# Altium PCB Archimajor.PcbDoc (part 12 of 13) (continued)
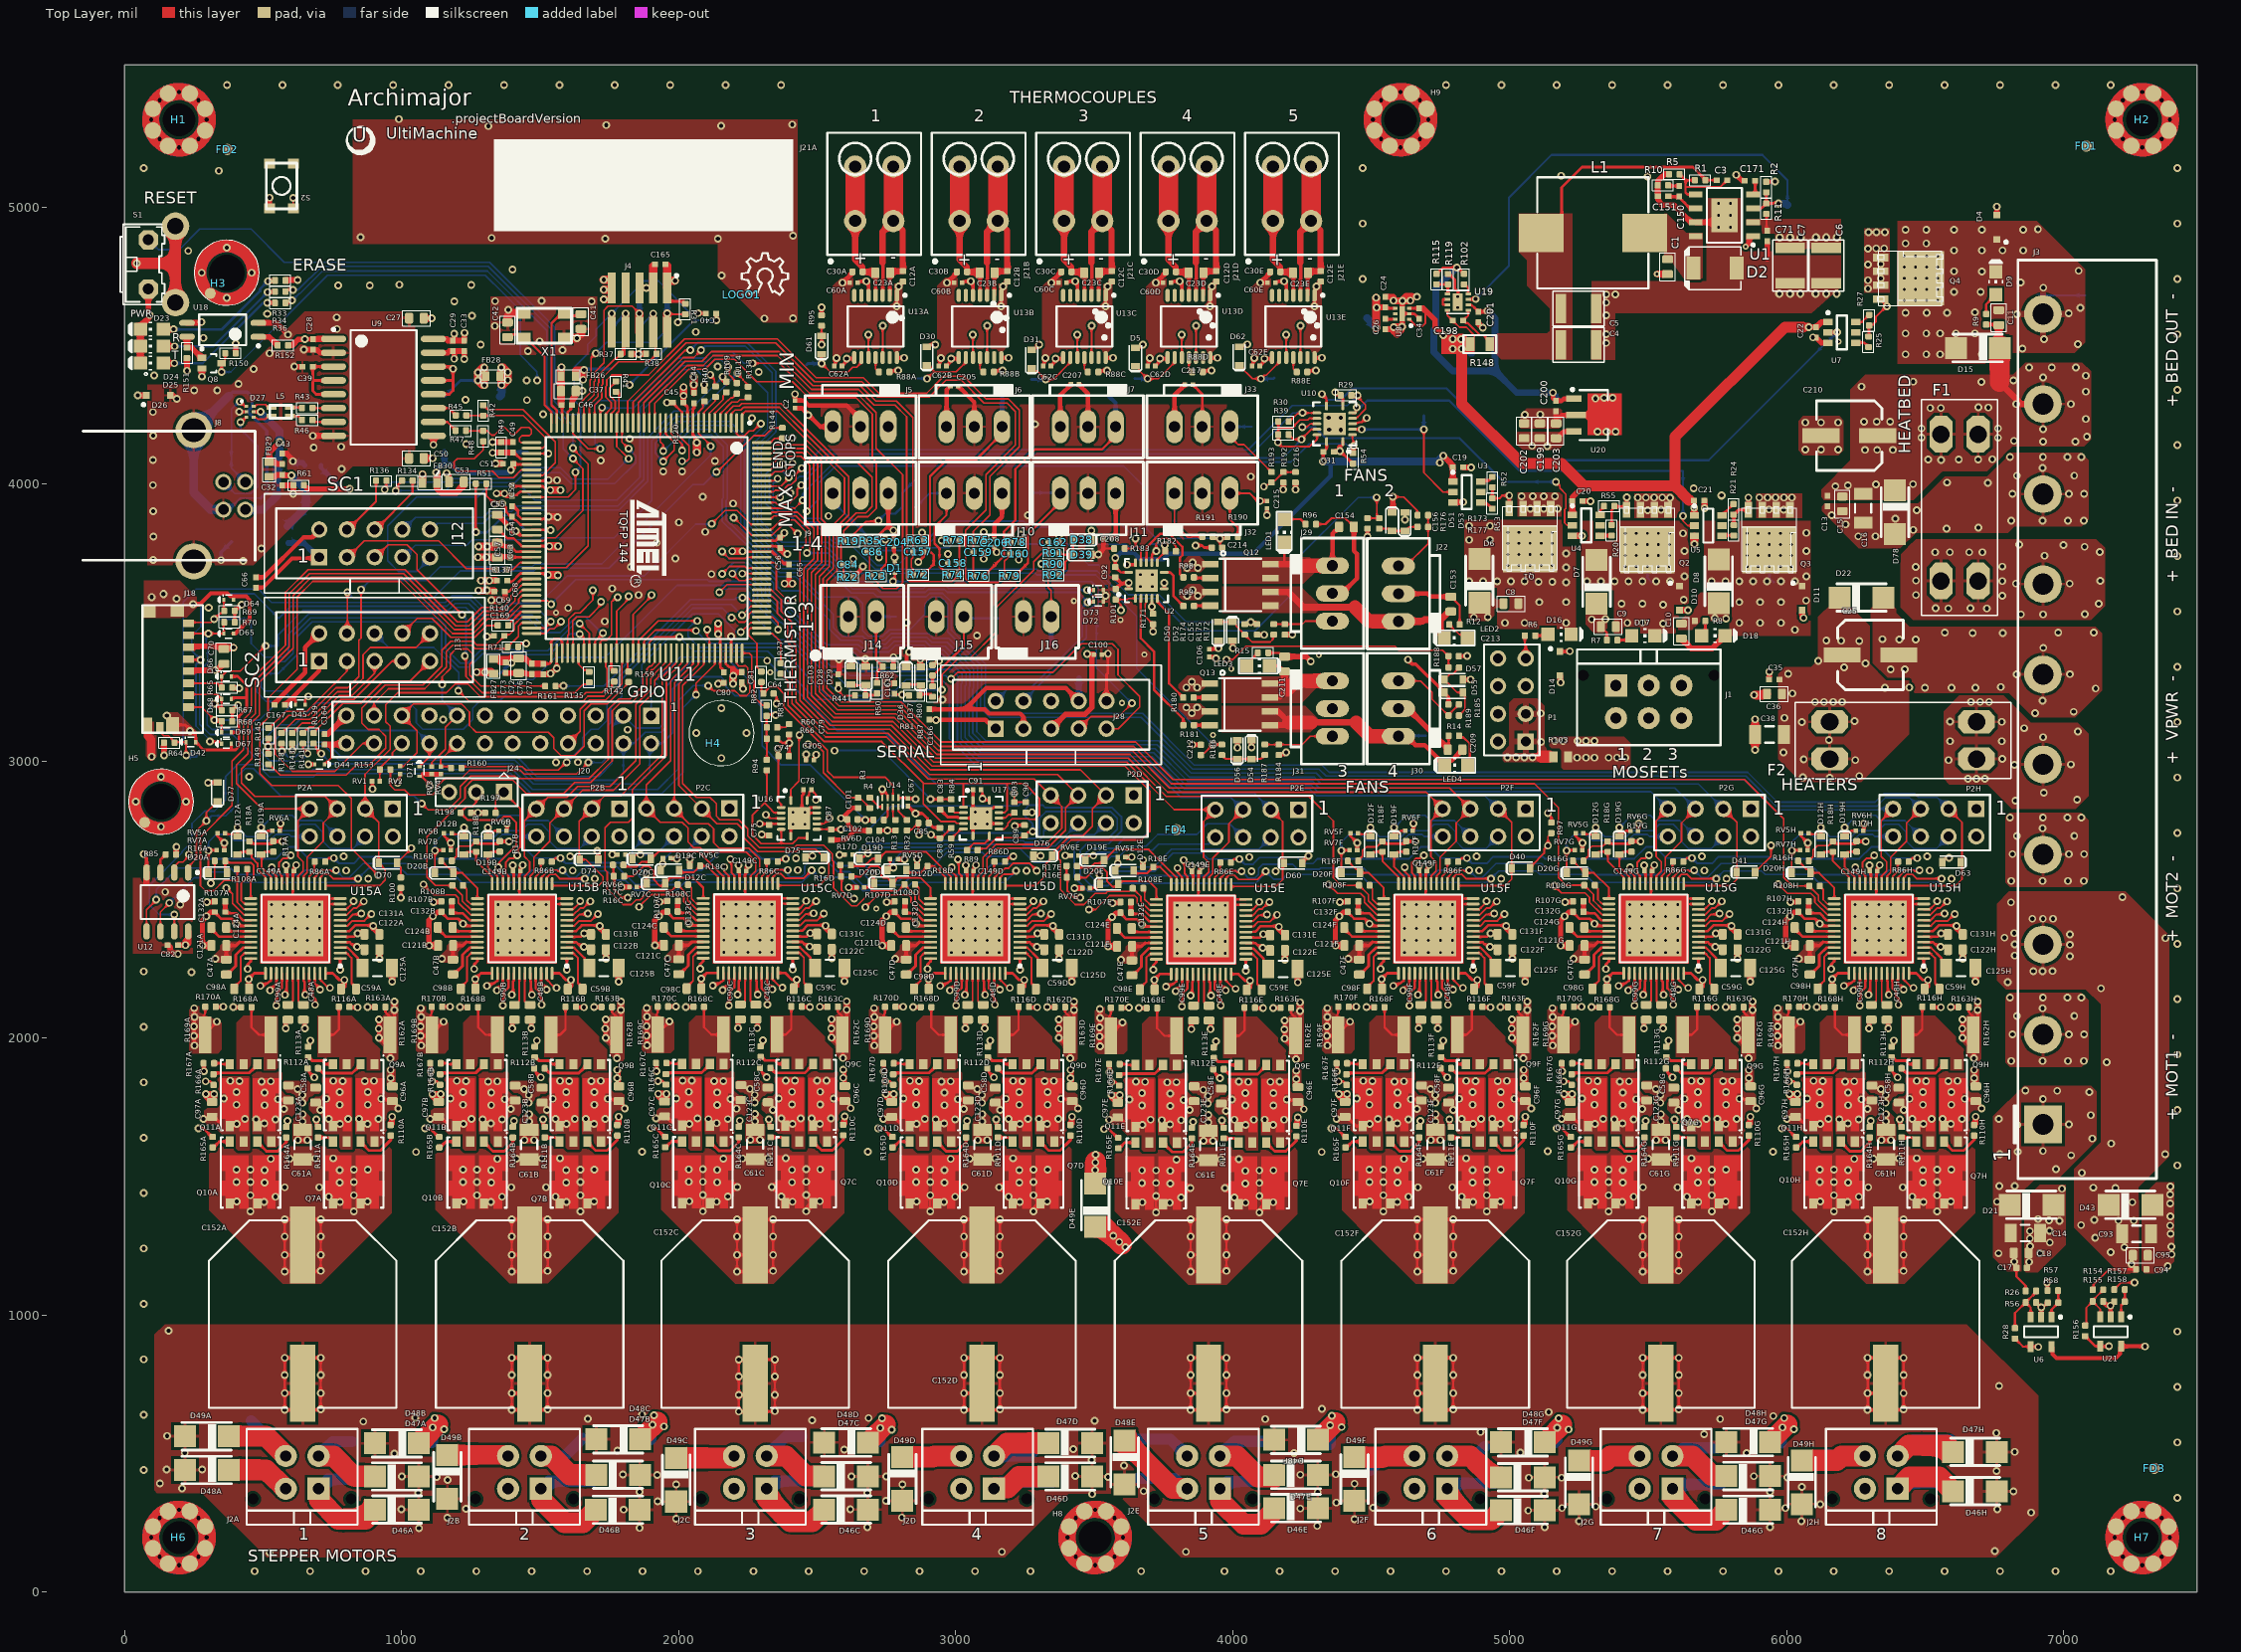
[diagram p0: Top Layer view]
## Polygon pours and split planes (outlines as drawn) (continued)
OABD on Mid1 "Direct Connect" (solid, remove dead copper, pour order 2499): 2081.02,1841.41 2067.24,1855.19 1995.39,1855.19 1981.61,1841.41 1981.61,1687.87 1992.44,1677.04 2075.11,1677.04 2081.02,1682.95
OBAD on Mid1 "Direct Connect" (solid, remove dead copper, pour order 2491): 2565.27,1841.9 2551.49,1855.68 2479.64,1855.68 2465.86,1841.9 2465.86,1688.36 2476.69,1677.53 2559.37,1677.53 2565.27,1683.44
OBAD on Mid1 "Direct Connect" (solid, remove dead copper, pour order 2490): 4201.1,1837.97 4187.32,1851.75 4115.47,1851.75 4101.69,1837.97 4101.69,1684.42 4112.51,1673.6 4195.19,1673.6 4201.1,1679.5
OABD on Mid1 "Direct Connect" (solid, remove dead copper, pour order 2498): 3716.85,1837.48 3703.07,1851.26 3631.22,1851.26 3617.44,1837.48 3617.44,1683.93 3628.26,1673.11 3710.94,1673.11 3716.85,1679.01
OABA on Mid1 "Direct Connect" (solid, remove dead copper, pour order 2503): 447.83,1840.45 434.05,1854.23 362.2,1854.23 348.42,1840.45 348.42,1686.91 359.25,1676.08 441.93,1676.08 447.83,1681.99
OBAA on Mid1 "Direct Connect" (solid, remove dead copper, pour order 2495): 932.09,1840.94 918.31,1854.72 846.46,1854.72 832.68,1840.94 832.68,1687.4 843.5,1676.57 926.18,1676.57 932.09,1682.48
OBAH on Mid1 "Direct Connect" (solid, remove dead copper, pour order 2494): 6647.65,1840.94 6633.87,1854.72 6562.02,1854.72 6548.24,1840.94 6548.24,1687.4 6559.07,1676.57 6641.75,1676.57 6647.65,1682.48
OABH on Mid1 "Direct Connect" (solid, remove dead copper, pour order 2502): 6163.4,1840.45 6149.62,1854.23 6077.77,1854.23 6063.99,1840.45 6063.99,1686.91 6074.82,1676.08 6157.5,1676.08 6163.4,1681.99
OBAG on Mid1 "Direct Connect" (solid, remove dead copper, pour order 2493): 5834.65,1840.94 5820.87,1854.72 5749.02,1854.72 5735.24,1840.94 5735.24,1687.4 5746.07,1676.57 5828.75,1676.57 5834.65,1682.48
OABG on Mid1 "Direct Connect" (solid, remove dead copper, pour order 2501): 5350.4,1840.45 5336.62,1854.23 5264.77,1854.23 5250.99,1840.45 5250.99,1686.91 5261.82,1676.08 5344.5,1676.08 5350.4,1681.99
OBAF on Mid1 "Direct Connect" (solid, remove dead copper, pour order 2492): 5021.65,1840.94 5007.87,1854.72 4936.02,1854.72 4922.24,1840.94 4922.24,1687.4 4933.07,1676.57 5015.75,1676.57 5021.65,1682.48
OABF on Mid1 "Direct Connect" (solid, remove dead copper, pour order 2500): 4537.4,1840.45 4523.62,1854.23 4451.77,1854.23 4437.99,1840.45 4437.99,1686.91 4448.82,1676.08 4531.5,1676.08 4537.4,1681.99
OABD on Mid1 "Direct Connect" (solid, remove dead copper, pour order 2497): 2901.57,1840.45 2887.79,1854.23 2815.94,1854.23 2802.16,1840.45 2802.16,1686.91 2812.99,1676.08 2895.67,1676.08 2901.57,1681.99
OBAD on Mid1 "Direct Connect" (solid, remove dead copper, pour order 2489): 3385.83,1840.94 3372.05,1854.72 3300.2,1854.72 3286.42,1840.94 3286.42,1687.4 3297.24,1676.57 3379.92,1676.57 3385.83,1682.48
OBAB on Mid1 "Direct Connect" (solid, remove dead copper, pour order 2488): 1750,1840.94 1736.22,1854.72 1664.37,1854.72 1650.59,1840.94 1650.59,1687.4 1661.42,1676.57 1744.09,1676.57 1750,1682.48
OABB on Mid1 "Direct Connect" (solid, remove dead copper, pour order 2496): 1265.75,1840.45 1251.97,1854.23 1180.12,1854.23 1166.34,1840.45 1166.34,1686.91 1177.16,1676.08 1259.84,1676.08 1265.75,1681.99
HTR3 on Mid1 "DirectConnect" (solid, pour order 2352): 6086.11,3866.5 5827.11,3866.5 5827.11,3925.5 5701.11,3925.5 5701.11,3623.5 5810.74,3623.5 5810.74,3467.89 6086.11,3467.89
HTR2 on Mid1 "DirectConnect" (solid, pour order 2351): 5647.12,3866.5 5259.12,3866.5 5259.12,3617.5 5376.69,3617.5 5376.69,3461 5647.12,3461 5647.12,3867.5
HTR1 on Mid1 "DirectConnect" (solid, pour order 2350): 5191.12,3870.5 4836.12,3870.5 4836.12,3625.5 4955.43,3625.5 4955.43,3461.98 5239.12,3461.98 5239.12,3773.5 5191.12,3773.5
no net on Top Overlay "Logo" (solid): 17 vertices, not listed, extent 802.12,5188.24 903.25,5289.62
GND on Top GND (split plane): 151 vertices, not listed, extent 10.09,10.09 7470.23,5501.72
USB_GND on Top GND (split plane): 856.89,4581.49 856.89,4101.68 804.87,4049.66 533.87,3778.66 462.82,3707.61 88.37,3707.61 88.37,4352.44 376.84,4352.44 379.45,4352.78 381.89,4353.79 383.97,4355.4 492.97,4464.4 648.02,4619.44 818.93,4619.44
HTR2 on Top GND (split plane): 5597.12,3682.15 5394.82,3682.15 5394.82,3865.9 5597.12,3865.9
HTR1 on Top GND (split plane): 5173.62,3686.15 4971.32,3686.15 4971.32,3869.9 5173.62,3869.9
HTR3 on Top GND (split plane): 6037.11,3682.15 5834.81,3682.15 5834.81,3865.91 6037.11,3865.91
OABA on Power Plane (split plane): 41 vertices, not listed, extent 265.93,310.62 637.08,1855.57
GND on Power Plane (split plane): 1653.4,753.35 1443.9,543.85 1264.94,722.8 1264.94,1112.88 1653.4,1112.88
GND on Power Plane (split plane): 835.49,741.42 641.94,547.87 447.03,742.78 447.03,1100.4 835.49,1100.4
OBAA on Power Plane (split plane): 50 vertices, not listed, extent 645.24,312.18 1016.59,1855.57
VMOTA on Power Plane (split plane): 117 vertices, not listed, extent 217.08,1108.56 1016.59,2531.45
OBAB on Power Plane (split plane): 49 vertices, not listed, extent 1447.98,314.52 1834.5,1855.57
OABB on Power Plane (split plane): 43 vertices, not listed, extent 1083.84,315.3 1439.82,1855.57
GND on Power Plane (split plane): 2468.67,745.18 2263.25,539.76 2263.25,540.25 2262.94,541.81 2262.05,543.13 2080.22,724.97 2080.22,1101.96 2468.67,1101.96
OABD on Power Plane (split plane): 44 vertices, not listed, extent 2719.67,313.74 3075.65,1855.57
GND on Power Plane (split plane): 3289.23,760.99 3079.72,551.48 2900.77,730.44 2900.77,1110.54 3289.23,1110.54
GND on Power Plane (split plane): 273 vertices, not listed, extent 60.09,60.09 7420.22,2258.77
OABC on Power Plane (split plane): 44 vertices, not listed, extent 1899.11,315.3 2255.09,1856.53
OBAC on Power Plane (split plane): 49 vertices, not listed, extent 2263.25,312.41 2649.78,1856.53
OBAD on Power Plane (split plane): 49 vertices, not listed, extent 3083.8,313.74 3470.33,1855.57
OAAA on Power Plane (split plane): 565.84,1852.05 565.84,1688.11 558.88,1681.15 458.35,1681.15 458.35,1855.57 562.33,1855.57
OBBA on Power Plane (split plane): 824.17,1670.69 734.1,1670.69 716.68,1688.11 716.68,1852.05 720.19,1855.57 824.17,1855.57
OAAB on Power Plane (split plane): 1383.76,1852.05 1383.76,1688.11 1376.79,1681.15 1276.26,1681.15 1276.26,1855.57 1380.24,1855.57
VMOTA on Power Plane (split plane): 113 vertices, not listed, extent 1029.54,1121.04 1834.5,2531.45
VDDOUT on Power Plane (split plane): 56 vertices, not listed, extent 1501.05,3391.19 2294.96,4440.79
OBBB on Power Plane (split plane): 1642.08,1670.69 1552.01,1670.69 1534.59,1688.11 1534.59,1852.05 1538.11,1855.57 1642.08,1855.57
OAAC on Power Plane (split plane): 2199.03,1853.01 2199.03,1689.07 2192.07,1682.1 2091.53,1682.1 2091.53,1856.53 2195.51,1856.53
OBBC on Power Plane (split plane): 2457.35,1669.91 2369.02,1669.91 2349.86,1689.07 2349.86,1853.01 2353.38,1856.53 2457.35,1856.53
OBBD on Power Plane (split plane): 3277.91,1671.65 3278.22,1670.09 3278.34,1669.91 3188.62,1669.91 3170.42,1688.11 3170.42,1852.05 3173.93,1855.57 3277.91,1855.57
OAAD on Power Plane (split plane): 3019.58,1852.05 3019.58,1688.11 3012.62,1681.15 2912.09,1681.15 2912.09,1855.57 3016.07,1855.57
3.3VCC on Power Plane (split plane): 333 vertices, not listed, extent 60.09,2266.93 6758.44,5451.72
3.3VIO on Power Plane (split plane): 136 vertices, not listed, extent 1282.86,3243.65 2431.66,4576.13
VMOTA on Power Plane (split plane): 112 vertices, not listed, extent 1850.26,1110.12 2649.78,2532.41
VMOTA on Power Plane (split plane): 121 vertices, not listed, extent 2663.64,1118.7 3470.33,2531.45
GND on Power Plane (split plane): 4104.5,752.37 3895.71,543.58 3716.04,723.25 3716.04,1099.62 4104.5,1099.62
OBAE on Power Plane (split plane): 49 vertices, not listed, extent 3899.07,310.62 4285.6,1852.59
GND on Power Plane (split plane): 4925.06,750.02 4717.83,542.8 4536.6,724.03 4536.6,1104.3 4925.06,1104.3
OABF on Power Plane (split plane): 44 vertices, not listed, extent 4355.5,306.72 4711.47,1855.57
OABE on Power Plane (split plane): 41 vertices, not listed, extent 3534.94,310.62 3890.92,1852.59
OBAF on Power Plane (split plane): 49 vertices, not listed, extent 4719.63,306.72 5106.16,1855.57
OABG on Power Plane (split plane): 41 vertices, not listed, extent 5168.5,314.52 5524.47,1855.57
GND on Power Plane (split plane): 5738.06,755.12 5528.55,545.62 5349.6,724.57 5349.6,1098.06 5738.06,1098.06
OBAG on Power Plane (split plane): 49 vertices, not listed, extent 5532.63,316.08 5919.16,1855.57
GND on Power Plane (split plane): 6551.06,747.86 6341.55,538.36 6162.6,717.31 6162.6,1108.2 6551.06,1108.2
VPWR on Power Plane (split plane): 41 vertices, not listed, extent 4833.58,785.71 7420.22,5451.72
VMOTE on Power Plane (split plane): 114 vertices, not listed, extent 5119.65,1106.22 5919.16,2531.45
OABH on Power Plane (split plane): 44 vertices, not listed, extent 5981.5,312.96 6337.47,1855.57
OBAH on Power Plane (split plane): 52 vertices, not listed, extent 6345.63,314.52 6732.16,1855.57
OAAE on Power Plane (split plane): 3834.85,1849.07 3834.85,1685.13 3827.89,1678.17 3727.36,1678.17 3727.36,1852.59 3831.34,1852.59
OBBE on Power Plane (split plane): 4093.18,1666.01 4004.81,1666.01 3985.69,1685.13 3985.69,1849.07 3989.2,1852.59 4093.18,1852.59
OAAF on Power Plane (split plane): 4655.41,1852.05 4655.41,1688.11 4648.45,1681.15 4547.92,1681.15 4547.92,1855.57 4651.89,1855.57
VMOTE on Power Plane (split plane): 117 vertices, not listed, extent 3486.09,1107.78 4285.6,2528.47
VMOTE on Power Plane (split plane): 113 vertices, not listed, extent 4300.86,1112.46 5106.16,2531.45
OBBF on Power Plane (split plane): 4913.74,1671.47 4822.88,1671.47 4806.24,1688.11 4806.24,1852.05 4809.76,1855.57 4913.74,1855.57
HTR1 on Power Plane (split plane): 5173.62,3686.15 4971.32,3686.15 4971.32,3869.9 5173.62,3869.9
OBBG on Power Plane (split plane): 5726.74,1669.91 5637.44,1669.91 5619.24,1688.11 5619.24,1852.05 5622.76,1855.57 5726.74,1855.57
OAAG on Power Plane (split plane): 5468.41,1852.05 5468.41,1688.11 5461.45,1681.15 5360.92,1681.15 5360.92,1855.57 5464.89,1855.57
OBBH on Power Plane (split plane): 6539.74,1671.07 6539.81,1670.69 6449.66,1670.69 6432.24,1688.11 6432.24,1852.05 6435.76,1855.57 6539.74,1855.57
OAAH on Power Plane (split plane): 6281.41,1852.05 6281.41,1688.11 6274.45,1681.15 6173.92,1681.15 6173.92,1855.57 6277.89,1855.57
HTR2 on Power Plane (split plane): 5597.12,3682.15 5394.82,3682.15 5394.82,3865.9 5597.12,3865.9
HTR3 on Power Plane (split plane): 6037.11,3682.15 5834.81,3682.15 5834.81,3865.91 6037.11,3865.91
VMOTE on Power Plane (split plane): 118 vertices, not listed, extent 5932.65,1116.36 6732.16,2531.45
HTBD-OUT on Power Plane (split plane): 6741.9,4470.75 6741.9,4430.29 6387.76,4430.29 6387.76,4609.92 6394.65,4616.81 6396.25,4618.9 6397.26,4621.33 6397.6,4623.94 6397.6,4944.08 6741.9,4944.08
GND on Bot GND (split plane): 44 vertices, not listed, extent 20.1,20.1 7460.22,5491.71
USB_GND on Bot GND (split plane): 856.89,4581.49 856.89,4101.68 804.87,4049.66 533.87,3778.66 456.29,3701.09 88.09,3701.09 88.09,4352.44 376.84,4352.44 379.45,4352.78 381.89,4353.79 383.97,4355.4 492.97,4464.4 648.02,4619.44 818.93,4619.44
HTR1 on Bot GND (split plane): 5173.62,3686.15 4971.32,3686.15 4971.32,3869.9 5173.62,3869.9
HTR2 on Bot GND (split plane): 5597.12,3682.15 5394.82,3682.15 5394.82,3865.9 5597.12,3865.9
HTR3 on Bot GND (split plane): 6037.11,3682.15 5834.81,3682.15 5834.81,3865.91 6037.11,3865.91
HTBD-OUT on Bot GND (split plane): 6800.91,4895.43 6800.91,4531.76 6800.91,4431.05 6387.09,4431.05 6387.09,4609.79 6400.55,4623.26 6402.16,4625.35 6403.16,4627.78 6403.51,4630.39 6403.51,4887.71 6403.51,4931.77 6800.91,4931.77

## Other copper
Top Layer:
  rectangle net GND: 490.06,2267.76 744,2519.72
  rectangle net GND: 1307.98,2267.76 1561.91,2519.72
  rectangle net GND: 2123.25,2268.72 2377.18,2520.68
  rectangle net GND: 2943.8,2267.76 3197.74,2519.72
  rectangle net GND: 3759.07,2264.78 4013.01,2516.75
  rectangle net GND: 4579.63,2267.76 4833.57,2519.72
  rectangle net GND: 5392.63,2267.76 5646.57,2519.72
  rectangle net GND: 6205.63,2267.76 6459.57,2519.72
  region net +5VCC: 4832.95,4541.97 4848.41,4526.51 4871.86,4526.51 4871.86,4469.13 4753.95,4469.13 4753.95,4541.97
  region net GND: 5403.22,4176.43 5403.22,4326.04 5282.16,4326.04 5282.16,4176.43
  pour cut-out: 50.2,3508.12 50.2,3175.44 193.9,3175.44 193.9,3508.12
Bottom Layer:
  rectangle net SNTP1: 3652.5,3617.71 3722.7,3684.79
Bot GND (plane layer: these items are gaps in the copper):
  rectangle: 2473.12,4610.5 4407.12,5526.3
  lines w20: 2474.12,4620.5 2474.12,5288.5 ; 2893.25,4666.41 2893.25,5289.5 ; 3272.19,4663.67 3272.19,5288.5 ; 3638.68,4637.2 3638.68,5262.06 ; 4018.6,4637.2 4018.6,5262.02 ; 4408.12,4620.5 4410.12,4622.5 4410.03,5288.53 ; 78,3691 460.47,3691 541,3771.53 812,4042.53 866.97,4097.5 866.97,4585.67 823.11,4629.53 667,4629.53 643.84,4629.53 485.84,4471.53 376.84,4362.53 78,4362.53 78,3691 ; 4961.24,3676.06 5183.71,3676.06 5183.71,3879.99 4961.24,3879.99 4961.24,3676.06 ; 5384.73,3672.06 5607.2,3672.06 5607.2,3875.99 5384.73,3875.99 5384.73,3672.06 ; 5824.73,3672.07 6047.2,3672.07 6047.2,3875.99 5824.73,3875.99 5824.73,3672.07 ; 6377,4420.97 6811,4420.97 6811,4531.76 6811,4895.43 6811,4941.86 6393.42,4941.86 6393.42,4887.71 6393.42,4630.39 6377,4613.97 6377,4420.97
Power Plane (plane layer: these items are gaps in the copper):
  rectangle: 2474.16,5244.72 4404.66,5520.06
  lines w8: 1.56,2262.85 269.4,2262.85 ; 442.91,1190.91 442.91,1104.48 839.57,1104.48 839.57,739.73 641.16,541.32 641.16,330.72 663.78,308.1 755.82,308.1 1020.67,572.95 1020.67,908.86 1020.67,2416.73 990,2447.4 906.5,2530.91 901.87,2535.53 452,2535.53 420.45,2503.98 359.55,2503.98 341,2522.53 269.4,2522.53 269.4,1988.93 213,1932.53 213,1920.53 213,1685.03 261.85,1636.18 ; 454.27,1859.65 454.27,1677.07 ; 828.25,1670.69 828.25,1859.65 ; 840,1089.66 840,1281.46 840.06,1281.4 909.45,1350.79 909.45,1562.4 909.45,1595.87 833.66,1671.65 828.62,1666.61 732.41,1666.61 712.6,1686.42 712.6,1853.74 718.5,1859.65 937.99,1859.65 942.91,1854.72 942.91,1748.43 937.01,1742.52 937.01,1695.28 951.77,1680.51 1020.67,1680.51 ; 1260.83,1190.91 1260.83,1120.3 1264.16,1116.96 1657.48,1116.96 1657.48,751.67 1443.9,538.08 ; 1272.18,1859.65 1272.18,1677.07 ; 1443.9,536.39 1443.9,330.84 1424.28,311.22 1339.26,311.22 1079.76,570.72 1079.76,1636.18 ; 1646.16,1670.69 1646.16,1859.65 ; 1657.91,1086.54 1657.91,1281.46 1657.97,1281.4 1727.36,1350.79 1727.36,1562.4 1727.36,1595.87 1651.57,1671.65 1646.53,1666.61 1550.32,1666.61 1530.51,1686.42 1530.51,1853.74 1536.42,1859.65 1755.91,1859.65 1760.83,1854.72 1760.83,1748.43 1754.92,1742.52 1754.92,1695.28 1769.68,1680.51 1838.58,1680.51 ; 2076.1,1191.86 2076.1,1106.04 2472.75,1106.04 2472.75,743.49 2259.17,529.91 2259.17,332.57 2237.82,311.22 2153.58,311.22 1895.04,569.76 1895.04,1637.14 ; 2087.46,1860.6 2087.46,1678.03 ; 2461.43,1669.22 2461.43,1860.6 ; 2473.18,1076.4 2473.18,1282.42 2473.24,1282.36 2542.63,1351.75 2542.63,1563.36 2542.63,1596.83 2466.85,1672.61 2460.06,1665.83 2367.33,1665.83 2345.78,1687.38 2345.78,1854.7 2351.69,1860.6 2571.18,1860.6 2576.1,1855.68 2576.1,1749.38 2570.19,1743.48 2570.19,1696.23 2584.96,1681.47 2653.85,1681.47 ; 2896.65,1190.91 2896.65,1114.62 3293.31,1114.62 3293.31,759.3 3079.72,545.72 ; 2908.01,1859.65 2908.01,1677.07 ; 3281.99,1671.65 3281.99,1859.65 ; 3293.74,1077.18 3293.74,1281.46 3293.8,1281.4 3363.19,1350.79 3363.19,1562.4 3363.19,1595.87 3287.4,1671.65 3281.58,1665.83 3186.93,1665.83 3166.34,1686.42 3166.34,1853.74 3172.24,1859.65 3391.73,1859.65 3396.65,1854.72 3396.65,1748.43 3390.75,1742.52 3390.75,1695.28 3405.51,1680.51 3474.41,1680.51 ; 3711.92,1187.93 3711.92,1103.7 4108.58,1103.7 4108.58,750.68 3894.99,537.1 3894.99,322.92 3911.37,306.54 3999.06,306.54 4289.68,597.16 4289.68,905.88 4289.68,2413.76 4259.01,2444.42 4175.51,2527.93 4170.88,2532.55 3721.01,2532.55 3700.31,2511.85 3593.42,2511.85 3585.72,2519.55 3540.93,2519.55 3521.01,2499.63 3521.01,2457.35 3482.01,2418.35 3482.01,1917.55 3482.01,1682.05 3530.86,1633.2 ; 3723.28,1856.67 3723.28,1674.09 ; 4097.26,1666.01 4097.26,1856.67 ; 4109.01,1104.48 4109.01,1278.48 4109.07,1278.42 4178.46,1347.81 4178.46,1559.42 4178.46,1592.89 4102.67,1668.68 4095.92,1661.93 4003.12,1661.93 3981.61,1683.44 3981.61,1850.76 3987.51,1856.67 4207,1856.67 4211.92,1851.75 4211.92,1745.45 4206.02,1739.54 4206.02,1692.3 4220.78,1677.53 4289.68,1677.53 ; 4532.48,1190.91 4532.48,1108.38 4929.13,1108.38 4929.13,748.33 4715.55,534.75 4715.55,330.27 4743.18,302.64 4815.72,302.64 5110.24,597.16 5110.24,908.86 5110.24,2416.73 5079.57,2447.4 4996.06,2530.91 4991.44,2535.53 4541.57,2535.53 4528.57,2522.53 4430.57,2522.53 4362.96,2522.53 4341.57,2501.13 4341.57,2459.8 4296.78,2415.01 4296.78,1914.74 4296.78,1690.82 4351.42,1636.18 ; 4543.84,1859.65 4543.84,1677.07 ; 4917.81,1667.39 4917.81,1859.65 ; 4929.57,1105.26 4929.57,1281.46 4929.63,1281.4 4999.02,1350.79 4999.02,1562.4 4999.02,1595.87 4923.23,1671.65 4918.96,1667.39 4821.19,1667.39 4802.16,1686.42 4802.16,1853.74 4808.07,1859.65 5027.56,1859.65 5032.48,1854.72 5032.48,1748.43 5026.57,1742.52 5026.57,1695.28 5041.34,1680.51 5110.24,1680.51 ; 5345.48,1190.91 5345.48,1102.14 5742.13,1102.14 5742.13,753.43 5528.55,539.85 ; 5356.84,1859.65 5356.84,1677.07 ; 5730.81,1668.17 5730.81,1859.65 ; 5742.57,1095.12 5742.57,1281.46 5742.63,1281.4 5812.02,1350.79 5812.02,1562.4 5812.02,1595.87 5736.23,1671.65 5730.4,1665.83 5635.75,1665.83 5615.16,1686.42 5615.16,1853.74 5621.07,1859.65 5840.56,1859.65 5845.48,1854.72 5845.48,1748.43 5839.57,1742.52 5839.57,1695.28 5854.34,1680.51 5923.24,1680.51 ; 6158.48,1190.91 6158.48,1112.28 6555.13,1112.28 6555.13,746.17 6341.55,532.59 ; 6169.84,1859.65 6169.84,1677.07 ; 6543.81,1859.65 6543.81,1671.07 6546.23,1668.66 6549.23,1671.65 6625.02,1595.87 6625.02,1562.4 6625.02,1350.79 6555.63,1281.4 6555.57,1281.46 6555.57,1106.82 ; 6544.18,1666.61 6447.97,1666.61 6428.16,1686.42 6428.16,1853.74 6434.07,1859.65 6653.56,1859.65 6658.48,1854.72 6658.48,1748.43 6652.57,1742.52 6652.57,1695.28 6667.34,1680.51 6736.24,1680.51 ; 6736.24,825.2 6779.81,781.63 7475.39,781.63 ; 261.85,1636.18 273.58,1636.18 339.61,1702.2 339.61,1854.72 344.53,1859.65 564.02,1859.65 569.92,1853.74 569.92,1686.42 560.57,1677.07 454.27,1677.07 ; 261.85,1636.18 261.85,579.77 535.08,306.54 608.4,306.54 641.94,340.08 641.94,542.1 442.95,741.09 442.95,1252.32 373.07,1322.2 373.07,1562.4 373.07,1595.87 448.86,1671.65 454.27,1677.07 ; 1079.76,1636.18 1025.46,1690.49 1025.46,1915.07 1025.46,2414.41 1069.91,2458.86 1069.91,2496.21 1096.23,2522.53 1158.91,2522.53 1235.99,2522.53 1248.99,2535.53 1719.79,2535.53 1724.41,2530.91 1807.91,2447.4 1838.58,2416.73 1838.58,908.86 1838.58,594.48 1554.54,310.44 1464.84,310.44 1443.9,331.38 1443.9,538.08 ; 1079.76,1636.18 1091.5,1636.18 1157.52,1702.2 1157.52,1854.72 1162.44,1859.65 1381.93,1859.65 1387.83,1853.74 1387.83,1686.42 1378.48,1677.07 1272.18,1677.07 ; 1272.18,1677.07 1266.77,1671.65 1190.98,1595.87 1190.98,1562.4 1190.98,1322.2 1260.87,1252.32 1260.87,721.11 1443.9,538.08 ; 1895.04,1637.14 1846.18,1685.99 1846.18,1921.49 1846.18,2418.1 1885.18,2457.1 1885.18,2492.33 1916.34,2523.49 1974.18,2523.49 2072.18,2523.49 2085.18,2536.49 2535.06,2536.49 2539.68,2531.86 2623.18,2448.36 2653.85,2417.69 2653.85,909.82 2653.85,596.21 2365.98,308.34 2283.6,308.34 2259.17,332.77 2259.17,540.25 2076.14,723.28 2076.14,1253.28 2006.26,1323.16 2006.26,1563.36 2006.26,1596.83 2082.04,1672.61 2087.46,1678.03 ; 1895.04,1637.14 1906.77,1637.14 1972.79,1703.16 1972.79,1855.68 1977.71,1860.6 2197.2,1860.6 2203.11,1854.7 2203.11,1687.38 2193.76,1678.03 2087.46,1678.03 ; 2715.59,1636.18 2659.56,1692.21 2659.56,1913.35 2659.56,2411.64 2705.74,2457.83 2705.74,2490.31 2737.96,2522.53 2774.68,2522.53 2784.37,2512.83 2883.05,2512.83 2905.74,2535.53 3355.61,2535.53 3360.24,2530.91 3443.74,2447.4 3474.41,2416.73 3474.41,908.86 3474.41,588.41 3195.66,309.66 3098.94,309.66 3079.72,328.88 3079.72,545.72 ; 2715.59,1636.18 2715.59,568.21 2974.14,309.66 3062.28,309.66 3079.72,327.1 3079.72,545.72 ; 2715.59,1636.18 2727.32,1636.18 2793.35,1702.2 2793.35,1854.72 2798.27,1859.65 3017.76,1859.65 3023.66,1853.74 3023.66,1686.42 3014.31,1677.07 2908.01,1677.07 ; 2908.01,1677.07 2902.6,1671.65 2826.81,1595.87 2826.81,1562.4 2826.81,1322.2 2896.69,1252.32 2896.69,728.75 3079.72,545.72 ; 3530.86,1633.2 3530.86,568.04 3792.36,306.54 3879.72,306.54 3894.99,321.82 3894.99,538.52 3711.96,721.56 3711.96,1249.35 3642.08,1319.23 3642.08,1559.42 3642.08,1592.89 3717.87,1668.68 3723.28,1674.09 ; 3530.86,1633.2 3542.59,1633.2 3608.62,1699.23 3608.62,1851.75 3613.54,1856.67 3833.03,1856.67 3838.93,1850.76 3838.93,1683.44 3829.58,1674.09 3723.28,1674.09 ; 4351.42,1636.18 4351.42,557.12 4605.9,302.64 4686.24,302.64 4715.55,331.95 4715.55,539.31 4532.52,722.34 4532.52,1252.32 4462.64,1322.2 4462.64,1562.4 4462.64,1595.87 4538.43,1671.65 4543.84,1677.07 ; 4351.42,1636.18 4363.15,1636.18 4429.17,1702.2 4429.17,1854.72 4434.09,1859.65 4653.58,1859.65 4659.49,1853.74 4659.49,1686.42 4650.14,1677.07 4543.84,1677.07 ; 5164.42,1636.18 5115.57,1685.03 5115.57,1920.53 5115.57,2416.94 5154.57,2455.94 5154.57,2497.2 5179.89,2522.53 5243.57,2522.53 5341.57,2522.53 5354.57,2535.53 5804.44,2535.53 5809.06,2530.91 5892.57,2447.4 5923.24,2416.73 5923.24,908.86 5923.24,595.06 5640.18,312 5552.04,312 5528.55,335.49 5528.55,539.85 ; 5164.42,1636.18 5164.42,567.8 5421.78,310.44 5502.12,310.44 5528.55,336.87 5528.55,539.85 ; 5164.42,1636.18 5176.15,1636.18 5242.17,1702.2 5242.17,1854.72 5247.09,1859.65 5466.58,1859.65 5472.49,1853.74 5472.49,1686.42 5463.14,1677.07 5356.84,1677.07 ; 5356.84,1677.07 5351.43,1671.65 5275.64,1595.87 5275.64,1562.4 5275.64,1322.2 5345.52,1252.32 5345.52,722.88 5528.55,539.85 ; 5977.42,1636.18 5928.57,1685.03 5928.57,1920.53 5928.57,2417.98 5967.57,2456.98 5967.57,2501.15 5994.02,2527.6 6051.5,2527.6 6159.64,2527.6 6167.57,2535.53 6617.44,2535.53 6622.06,2530.91 6705.57,2447.4 6736.24,2416.73 6736.24,908.86 6736.24,600.76 6445.92,310.44 6361.86,310.44 6341.55,330.75 6341.55,532.59 ; 5977.42,1636.18 5977.42,568.34 6236.88,308.88 6321.9,308.88 6341.55,328.53 6341.55,532.59 ; 5977.42,1636.18 5989.15,1636.18 6055.17,1702.2 6055.17,1854.72 6060.09,1859.65 6279.58,1859.65 6285.49,1853.74 6285.49,1686.42 6276.14,1677.07 6169.84,1677.07 ; 6169.84,1677.07 6164.43,1671.65 6088.64,1595.87 6088.64,1562.4 6088.64,1322.2 6158.52,1252.32 6158.52,715.62 6341.55,532.59
  lines w10: 10,3874.53 10,4109.53
  lines w12: 1276.81,3612.71 1276.81,3370.08 1330.12,3370.08 1330.12,3237.6 2010.57,3237.6 2015.75,3242.77 2236.85,3242.77 2236.85,3384.52 ; 1282.81,3617.71 1326,3617.71 1326,3901.23 1394.76,3901.23 1394.76,3967.17 1326,3967.17 1326,4582.18 1806.45,4582.18 ; 1597.7,4220.1 1562.33,4220.1 1562.33,4077.32 1495.39,4077.32 1495,4077.71 1495,3385.14 2301.02,3385.14 2301.02,3536.65 ; 1598.41,4220.86 1598.41,4446.84 1707.1,4446.84 1726.38,4427.56 1726.38,4193.53 2118.87,4193.53 2162.4,4150 2162.4,3864.26 2293.82,3732.84 2300.03,3732.84 2332.7,3700.17 2437.71,3700.17 2437.71,3754.31 2383.58,3808.44 2383.58,3869.46 2317.91,3935.13 2317.91,4309.45 2272.97,4354.4 2144.48,4354.4 2144.48,4394.01 2067.05,4394.01 1993.48,4394.01 1971.7,4372.23 1851.13,4372.23 1806.45,4416.92 1806.45,4621.55 ; 2300.03,3729.72 1718.5,3729.72 1656.5,3667.72 1656.5,3569.29 1688.98,3536.81 2301.18,3536.81
  lines w16: 4844.58,5525.52 4844.58,4821.84 4963.92,4702.5 4963.92,4198.57 4825.51,4060.15 4825.51,2998.5 4922.66,2901.35 6708.08,2901.35 6766.51,2842.91 6766.51,2447.01 6736.24,2416.73
  lines w20: 2473.03,4561.5 2473.03,5518.5 ; 2890.2,4652.69 2890.2,5526.3 ; 3269.13,4648.76 3269.13,5522.4 ; 3645.12,4650.5 3645.12,5524.74 ; 4025.04,4650.5 4025.04,5519.28 ; 4399.55,4591.02 4399.55,5518.5 ; 5384.73,3672.06 5607.2,3672.06 ; 5384.73,3672.06 5384.73,3875.99 ; 5384.73,3672.06 5607.2,3672.06 ; 5384.73,3672.06 5384.73,3875.99 ; 5384.73,3875.99 5607.2,3875.99 ; 5384.73,3875.99 5607.2,3875.99 ; 5607.2,3672.06 5607.2,3875.99 ; 5607.2,3672.06 5607.2,3875.99 ; 4961.24,3676.06 4961.24,3879.99 5183.71,3879.99 5183.71,3676.06 4961.24,3676.06 ; 5824.73,3672.07 6047.2,3672.07 6047.2,3875.99 5824.73,3875.99 5824.73,3672.07 ; 6377.67,4420.2 6377.67,4614.1 6387.51,4623.94 6387.51,4954.17 6751.99,4954.17 6751.99,4470.75 6751.99,4420.2 6377.67,4420.2
Top GND (plane layer: these items are gaps in the copper):
  circle w38: c448,4169.01 r6.4
  circle w38: c386,4090.01 r6.4
  rectangle: 2474.16,5244.72 4404.66,5520.06
  lines w20: 78.28,4361.47 78.28,3697.51 467,3697.53 541,3771.53 812,4042.53 866.97,4097.5 866.97,4585.67 823.11,4629.53 667,4629.53 643.84,4629.53 485.84,4471.53 376.84,4362.53 78.28,4362.53 ; 2474.01,4556.5 2474.01,5516.16 ; 2855.9,4421.63 2855.9,4541.71 2896.25,4582.06 ; 2896.25,4583.06 2896.25,5522.4 ; 3233.85,4421.64 3233.85,4543.46 ; 3233.85,4542.46 3274.21,4582.82 3274.21,5522.4 ; 3600.35,4394.17 3600.35,4515.99 3640.7,4556.35 3640.7,5523.18 ; 3980.27,4394.17 3980.27,4515.99 4020.62,4556.35 4020.62,5517.72 ; 4360.18,4385.02 4360.18,4533.95 4368.7,4542.46 4409.05,4582.82 4409.05,5513.82 ; 4961.24,3676.06 4961.24,3879.99 5183.71,3879.99 5183.71,3676.06 4961.24,3676.06 ; 5384.73,3672.06 5384.73,3875.99 5607.2,3875.99 5607.2,3672.06 5384.73,3672.06 ; 5824.73,3672.07 5824.73,3875.99 6047.2,3875.99 6047.2,3672.07 5824.73,3672.07

## Silkscreen, mask and mechanical layers (free items; w line width, h text height)
Top Overlay:
  circle w12: c4305,4571.99 r6
  circle w12: c3928,4571.99 r6
  circle w12: c3551.01,4571.99 r6
  circle w12: c3182.51,4599.46 r6
  circle w12: c4291.46,4528.52 r6
  circle w12: c3914.46,4528.52 r6
  circle w12: c3537.46,4528.52 r6
  circle w12: c3168.96,4555.99 r6
  circle w12: c4258.77,4622.24 r6
  circle w12: c3881.78,4622.24 r6
  circle w12: c3504.78,4622.24 r6
  circle w12: c3136.28,4649.71 r6
  circle w5: c77.76,4396.7 r5.02
  circle w12: c2805.51,4598.46 r6
  circle w5: c852.32,5239.42 r50.92
  circle w24: c2495,3380.89 r10
  circle w5: c846.75,5244.85 r42
  rectangle: 1333.02,4911.85 2414.35,5243.69
  lines w5: 1123.88,4031.66 1136.87,4047.19
  lines w10: -149.61,3724.46 437.99,3724.46 ; -149.61,4190.01 471.46,4190.01 471.46,3724.46
  text "THERMOCOUPLES" at 3195.87,5360.24 h75
  text "Archimajor" at 807.01,5345.51 h100
  text "1" at 2692.91,5293.31 h75
  text "2" at 3065.94,5293.31 h75
  text "3" at 3443.9,5293.31 h75
  text "4" at 3817.91,5293.31 h75
  text "5" at 4200.79,5293.31 h75
  text ".projectBoardVersion" at 1179.05,5291.38 h55
  text "UltiMachine" at 944.86,5230.55 h70
  text "U" at 822.79,5215.8 h90
  text "RESET" at 69.8,4998.07 h75
  text "-" at 2764.32,4784.27 h75
  text "+" at 2631.72,4780.37 h75
  text "-" at 3516.24,4780.37 h75
  text "-" at 3894.54,4780.37 h75
  text "-" at 4269.72,4779.59 h75
  text "-" at 3139.5,4778.03 h75
  text "+" at 3383.64,4776.47 h75
  text "+" at 3761.94,4776.47 h75
  text "+" at 4137.12,4775.69 h75
  text "+" at 3006.9,4774.13 h75
  text "ERASE" at 607.2,4754.96 h75
  text "PWR" at 21.57,4602.56 h25
  text "R" at 172.6,4511.98 h30
  text "T" at 170.43,4449.46 h30
  text "MIN" at 2435.16,4338.11 h90 r90
  text "+  BED OUT  -" at 7427.94,4276.17 h75 r90
  text "HEATBED" at 6460.74,4109.57 h75 r90
  text "END" at 2390.62,4051.47 h60 r90
  text "STOPS" at 2434.91,4021.95 h60 r90
  text "FANS" at 4403.1,3996.47 h75
  text "SC1" at 730.59,3973.67 h50
  text "1        2" at 4367.22,3939.53 h75
  text "MAX" at 2429.7,3840.47 h86 r90
  text "1-4" at 2406.42,3741.18 h90
  text "+  BED IN  -" at 7427.28,3642.76 h75 r90
  text "1-3" at 2504.3,3460.99 h90 r90
  text "SC2" at 487.48,3261.07 h50 r90
  text "GPIO" at 1816.22,3229.58 h40
  text "THERMISTOR" at 2439.88,3210.67 h75 r90
  text "SERIAL" at 2715.18,2997.29 h75
  text "1   2   3" at 5388.24,2988.71 h75
  text "+  VPWR  -" at 7427.28,2987.15 h75 r90
  text "3        4" at 4378.92,2927.09 h75
  text "MOSFETs" at 5369.52,2923.97 h75
  text "HEATERS" at 5981.04,2879.51 h75
  text "FANS" at 4408.56,2870.93 h75
  text "+  MOT2  -" at 7427.94,2344.65 h75 r90
  text "+  MOT1  -" at 7427.94,1699.59 h75 r90
  text "5" at 3876.97,173.89 h75
  text "7" at 5515.75,173.89 h75
  text "1" at 627.95,173.23 h75
  text "2" at 1425.2,173.23 h75
  text "3" at 2241.14,173.23 h75
  text "4" at 3058.07,173.23 h75
  text "6" at 4699.8,173.23 h75
  text "8" at 6322.83,173.23 h75
  text "STEPPER MOTORS" at 445.96,95.34 h75